# KiCad board panel-main.kicad_pcb (continued)
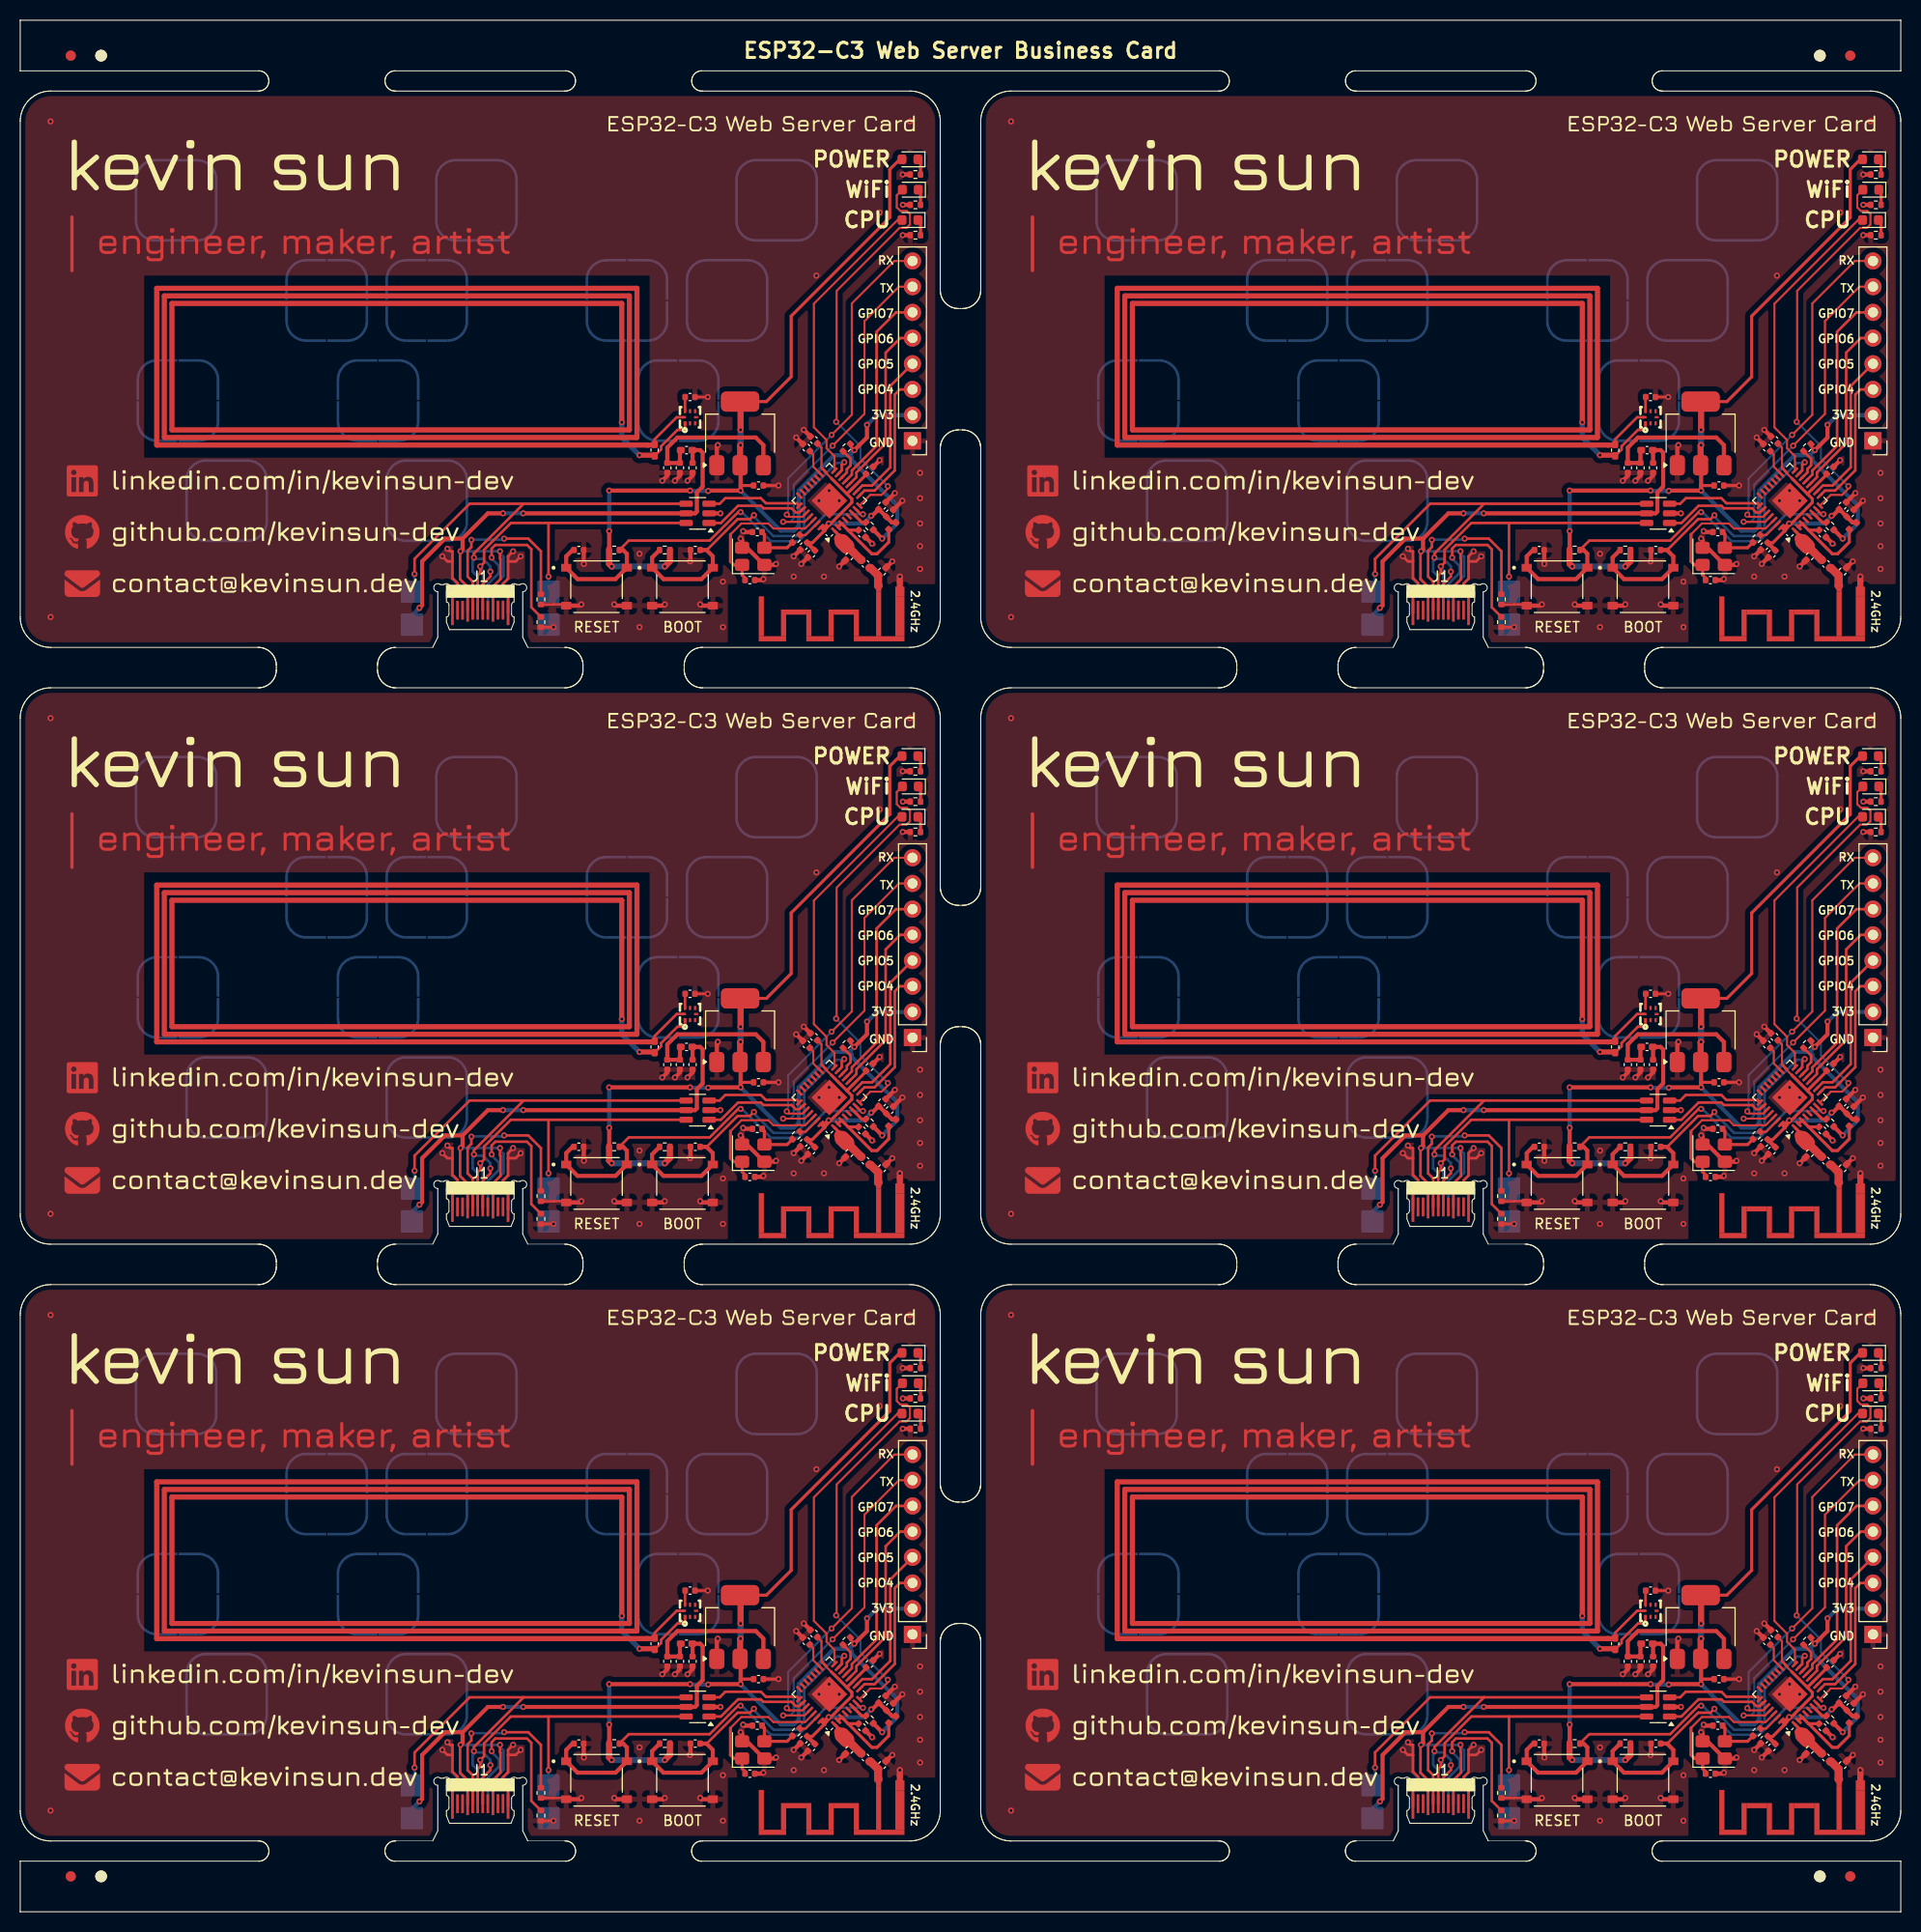
[diagram p0: board, top side]
## Routing (per net, layer and track width the routed paths; a pad name or vN(x,y) marks a point on that pad's centre or on a via; arc(x,y) is an arc through that point) (continued)
Board_1-/BOOTSEL: length 34.6
  Top w0.25: v1(167.57,138.07) 167.18,137.68 165.95,137.68 162.9,134.63 C18.1 ; U1#2.15 176.25,142.5 176.25,143.06 v1(176.5,143.3)
  Top w0.4: R4.2 157.5,133.89 SW2#4.1 158.62,131.75 162.38,131.75 SW2#4.1 163.5,134 162.88,134.63 C18.1
  Bottom w0.25: v1(167.57,138.07) 167.57,137.94 169.5,136 171.74,136 172.53,136.79 172.53,140.03 175.73,143.24 176.43,143.24 v1(176.5,143.3)
Board_1-/CHIP_EN: length 40.2
  Top w0.25: v1(166.25,138.37) 166.01,138.37 163.19,135.56 155.19,135.56 R3#6.2 ; U1#2.7 178.14,138.16 v1(178.35,138.16)
  Top w0.4: R3#6.2 154.62,134.63 155,134.25 SW1.1 153.88,131.75 150.12,131.75 SW1.1 149,134 149.62,134.63 C17#2.1
  Bottom w0.25: v1(178.35,138.16) 174.66,138.16 172,135.5 169.25,135.5 166.38,138.37 v1(166.25,138.37)
Board_1-/GP2: length 1.7
  Top w0.3: R7#3.1 178.24,137.36 U1#2.6
Board_1-/GP8: length 3.3
  Top w0.25: R6#5.1 177.13,143.65 177.13,142.99 176.76,142.62 176.76,142.3 U1#2.14 176.27,141.77
Board_1-/LED_A: length 39.8
  Top w0.2: v1(180.82,140.94) 180.82,140.7 180.19,140.08 179.07,140.08 178.01,139.01 U1#2.8 ; v1(175.7,147.3) 175.75,147.35 175.75,160.25 181.97,166.48 182.65,166.48 183,166.82 183,167.84 182.69,168.15 182.05,168.15 181.7,168.5 181.7,169.7 D2#6.2
  Bottom w0.2: v1(175.7,147.3) 178.1,144.9 178.1,143.65 v1(180.82,140.94)
Board_1-/LED_B: length 29.5
  Top w0.2: D3#5.2 181.78,167.25 173.5,158.98 173.5,146.75 174.75,145.5 174.75,144.69 175.53,143.91 U1#2.16
Board_1-/LNA_IN: length 4
  Top w0.3: U1#2.1 176,136.06 176,135.75
  Top w0.8: 176.8,135 C12.1 178.15,133.66 L2#5.1
  Top w1: 176.3,135.45 176,135.75
  Top w1.5: 176.3,135.45 176.75,135
Board_1-/MTCK: length 17.8
  Top w0.25: U1#2.12 177.71,141.83 177.71,142.3 180.6,145.19 180.6,154.14 182.04,155.58 J2#4.5
Board_1-/MTDI: length 15.6
  Top w0.25: U1#2.10 178.29,141 179.25,141 181.05,142.8 181.05,150.84 J2#4.4
Board_1-/MTDO: length 20.4
  Top w0.25: U1#2.13 177.26,142.09 177.26,142.48 179.7,144.93 179.7,156.2 181.62,158.12 J2#4.6
Board_1-/MTMS: length 14
  Top w0.25: U1#2.9 178.5,140.5 179.5,140.5 181.5,142.5 181.5,150 182,150.5 J2#4.3
Board_1-/U0RXD: length 33.7
  Top w0.2: v1(175.25,146) 177.25,148 177.25,159 181.45,163.2 J2#4.8 ; v1(170.82,138.13) 171.03,137.91 172.38,137.91 U1#2.27
  Bottom w0.2: v1(175.25,146) 170.94,141.69 170.94,138 v1(170.82,138.13)
Board_1-/U0TXD: length 32.6
  Top w0.2: U1#2.28 172.58,137.41 v1(170.46,137.41) ; v1(175.35,144.94) 178.5,148.09 178.5,157.25 181.91,160.66 J2#4.7
  Bottom w0.2: v1(175.35,144.94) 171.5,141.09 171.5,137.75 171.16,137.41 v1(170.46,137.41)
Board_1-/USB_DN: length 9.5
  Top w0.25: U1#2.25 171.82,139.25 168.75,139.25 168.25,139.75 164.74,139.75 164.19,139.2 U3#4.3
Board_1-/USB_DP: length 10.4
  Top w0.25: U1#2.26 172.38,138.69 172.03,138.34 171.71,138.34 171.29,138.75 168.5,138.75 168.25,139 166,139 164.3,137.3 U3#4.1
Board_1-/XTAL_N: length 14.8
  Top w0.2: 165.25,136.17 166.33,137.25 169,137.25 169.5,136.75 171.87,136.75 171.9,136.78 172.25,136.78 172.28,136.75 172.63,136.75 U1#2.29
  Top w0.3: 165.25,136.17 165.25,133.5 165.6,133.15 Y1#4.1 166.4,132.15 166.69,131.86 C9#6.1
Board_1-/XTAL_P: length 2.2
  Top w0.2: R5.1 172.7,136.11 U1#2.30
Board_1-GND: length 74.4
  Top w0.25: R1#3.1 147.74,129.24 147.75,129.25 148.88,129.25 SW1.2 ; 137.75,133.5 137.75,131.86 138.25,131.36 138.25,130.5 137.75,130 137.75,128.4 ; 137.75,133.5 137.25,133.5 v1(136.75,134) ; 137.75,133.5 137.75,134.5 137.5,134.5 v1(137.25,134.75) ; C20#6.2 v1(163,149.75) ; v1(144.5,134) 144,133.5 143.25,133.5 ; v1(147.75,127) 147.25,127 147.24,126.99 R2#6.2 ; 143.25,133.5 143.25,131.81 142.75,131.31 142.75,130.5 143.25,130 143.25,128.4 ; 143.25,133.5 143.25,134 v1(143.75,134.5)
  Top w0.3: C16#3.2 v1(170,141)
  Top w0.4: SW2#4.2 158.62,129.13 v1(158.75,129.25) ; C6#5.2 v1(172.5,146.5) ; v1(169.75,133.25) 169.65,133.15 Y1#4.2 168.57,133.15 166.87,134.85 Y1#4.4 166.4,135.6 v1(166.25,135.75) ; C2#2.2 v1(182.25,139.5) ; R8#3.2 v1(182.29,171.75) ; C17#2.2 150.73,133.27 v1(150.75,133.25) ; C13#2.2 161.5,141.98 v1(161,141.48) ; C8#2.2 v1(172.25,133.25) ; R9#2.2 v1(182.3,168.75) ; SW1.2 153.88,129.13 v1(153.75,129.25) ; v1(162.25,129.25) 162.38,129.13 SW2#4.2 ; v1(159.75,141.48) 160.25,141.98 C14#4.2 ; C5#4.2 v1(180,143.5) ; C11.2 v1(181.25,133.5) ; v1(166.5,136.5) 166.6,136.4 C10#2.2 ; C9#6.2 168.4,131.65 v1(168.5,131.75) ; C7#3.2 v1(171.5,134) ; v1(158.5,141.48) 159,141.98 C15#4.2 ; C3.2 v1(181.5,140.25) ; U3#4.2 v1(164.25,138.25) ; SW1.2 150.38,129.13 v1(150.5,129.25) ; v1(164,145) 163.9,144.9 U4#3.1 ; C12.2 v1(176,133) ; C18.2 161.29,133.54 v1(161.25,133.5) ; C4#3.2 v1(171.75,145.75) ; R10#4.2 v1(182.29,165.75) ; C1#2.2 v1(179.25,135.25)
  Top w0.6: v1(182,132) AE1.2
  Bottom w0.25: v1(137.25,134.75) 137.5,134.5 137.75,134.5 137.75,133.5 ; 137.75,133.5 137.75,131.75 138.5,131 138.5,130.75 137.75,130 137.75,128.4 137.75,128.4 ; 137.75,133.5 137.25,133.5 v1(136.75,134) ; 143.25,133.5 143.25,131.75 142.75,131.25 142.75,130.5 143.25,130 143.25,128.4 ; 143.25,133.5 143.25,134 v1(143.75,134.5) ; 143.25,133.5 144,133.5 v1(144.5,134)
  vias: v1(98,177) v1(98,128) v1(156.25,134.25) v1(156.25,127) v1(164.5,131.5) v1(164.5,127) v1(171.5,132) v1(173.75,161.75) v1(174,139.5) v1(174.5,132) v1(175,140.5) v1(176,139.5) v1(180,168) v1(183,177) v1(184,142.25) v1(184,139.75) v1(184,137.25) v1(184,135) v1(184,132.75)
Board_1-Net-(AE1-FEED): length 2.2
  Top w0.8: L2#5.2 179.1,132.85 C11.1 179.85,131.1 179.9,131.1
Board_1-Net-(C1-Pad1): length 9.2
  Top w0.3: 176.89,136.59 U1#2.3 U1#2.2 ; 176.89,136.59 C1#2.1 ; 176.89,136.59 179.22,134.25 179.75,134.25 180.91,135.41 L1#4.2
Board_1-Net-(C10-Pad1): length 4.7
  Top w0.3: C10#2.1 168.6,136.18 Y1#4.3 170.85,134.85 R5.2
Board_1-Net-(D1-K): length 1.6
  Top w0.3: D1#4.1 184.05,172.99 R8#3.1
Board_1-Net-(D2-K): length 1.6
  Top w0.3: R9#2.1 184.05,170.03 D2#6.1
Board_1-Net-(D3-K): length 1.6
  Top w0.3: R10#4.1 184.05,166.99 D3#5.1
Board_1-Net-(J1-CC1): length 19
  Top w0.25: v1(142.86,135.75) 145.25,135.75 146.5,134.5 R1#3.2 ; v1(139.62,135.63) 139.62,134.92 139.28,134.58 139.28,134.48 139.25,134.46 139.25,132 139.75,131.5 139.75,128.68
  Bottom w0.25: v1(142.86,135.75) 142.76,135.65 139.64,135.65 v1(139.62,135.63)
Board_1-Net-(J1-CC2): length 18.2
  Top w0.25: R2#6.1 145.55,128.96 145.55,134.7 145.12,135.13 141.99,135.13 141.62,134.76 141.62,133.88 v1(141.63,133.88)
  Bottom w0.25: 141.25,128.68 141.25,131.25 142.35,132.35 142.35,133.07 141.63,133.78 v1(141.63,133.88)
Board_1-Net-(J1-D+-PadA6): length 38.5
  Top w0.25: 140.25,128.68 140.25,132.13 140.5,132.38 v1(140.5,133) 140.88,133.38 140.88,134.65 143.53,137.3 147.25,137.3 ; 147.25,137.3 v1(147.25,132) ; 147.25,137.3 U3#4.6
  Bottom w0.25: v1(147.25,132) 147.25,130.5 ; v1(140.5,133) 140.5,132.88 140.75,132.63 140.75,128.68
Board_1-Net-(J1-D--PadA7): length 51.9
  Top w0.25: 144.79,139.2 139.88,134.29 v1(139.88,133.88) ; 144.79,139.2 139.45,139.2 134,133.75 v1(134,132.25) ; 144.79,139.2 U3#4.4 ; 140.75,128.68 140.75,131.25 141.5,132 v1(141.5,132.49)
  Bottom w0.25: 133.75,130.5 134,130.75 v1(134,132.25) ; 140.25,128.68 140.25,132 139.75,132.5 139.75,133.5 139.88,133.63 v1(139.88,133.88) 140,133.75 140.76,133.75 141.13,133.38 141.13,133.38 141.5,133.01 v1(141.5,132.49)
Board_1-Net-(U2-LA): length 371.4
  Top w0.25: C19#4.1 158.39,144.57 158.39,144.88 160.01,146.5 160.75,146.5 U2#4.1
  Top w0.5: v1(154.5,147.25) 154.5,159 110,159 110,146.5 155.25,146.5 155.25,159.75 109.25,159.75 109.25,145.75 156,145.75 156,160.5 108.5,160.5 108.5,145 157.04,145 157.04,145 157.74,145 ; v1(156.25,144) 157.75,144
  Bottom w0.5: v1(154.5,147.25) 154.5,145.75 v1(156.25,144)
Board_1-Net-(U2-LB): length 4.3
  Top w0.25: U2#4.8 159.92,147.75 157.75,145.58 C19#4.2
Board_1-Net-(U2-VOUT): length 1.4
  Top w0.25: C20#6.1 160.75,149.73 U2#4.7
Board_1-Net-(U4-VI): length 16.7
  Top w0.4: 168.5,142.21 168.54,142.25 ; 168.75,143.25 U4#3.3 168.5,145 167.75,145.75 160,145.75 159,144.75 C15#4.1 C14#4.1 160.25,144.42 L3#2.2
Board_1-unconnected-(U1-SPIHD-Pad19): length 0.1
  Top w0.2: U1#2.19 173.73,141.77
Board_2-+3.3V: length 26.4
  Top w0.2: C6#6.1 79.25,85.75 79.25,83.76 U1#3.17 79.54,83.4 80.22,82.72
  Top w0.3: C5#5.1 83.66,83.08 U1#3.11 81.77,81.19 81.77,81.17 ; U1#3.32 78.34,76.34 C7#5.1 ; U1#3.32 U1#3.31 ; U1#3.32 79.54,77.61 82.25,80.32 82.25,80.69 81.77,81.17 ; 81.77,81.17 80.22,82.72
  Top w0.4: v1(79.96,78.24) 79.54,77.82 U1#3.32 ; v1(84.16,79) 84.25,79 C3#2.1 C2#3.1 86.23,78.34 L1#2.1 ; C8#5.1 C7#5.1
  Bottom w0.4: v1(84.16,79) 84.05,78.9 84.05,78.87 83.42,78.24 v1(79.96,78.24)
Board_2-+3V3: length 109.2
  Top w0.25: v1(82.5,85.5) 82.11,85.89 R6#6.2
  Top w0.3: C16#5.1 71.25,82 ; D1.2 87,114.25 86,113.25 86,108.5 76.25,98.75 76.25,92.75 73.8,90.3 U4#6.2
  Top w0.4: v1(82.5,85.5) 83.75,86.75 v1(83.75,88) ; v1(58.25,77.5) 58.25,75.64 R3#2.1 ; v1(66.25,81.5) v1(58.25,81.5) ; v1(68.05,81.46) 68.09,81.5 v1(71.25,81.5) 71.25,83.95 U4#6.2 ; R7#5.2 v1(85.25,76.75)
  Top w0.6: v1(58.5,74) 58.24,74.26 R3#2.1 ; v1(71.25,86) 71.2,85.95 U4#6.2 ; v1(63.75,74) 64.26,74.51 R4#5.1 ; U4#6.2 71.25,90.25 v1(71.25,87.5)
  Bottom w0.25: 82.12,85.13 82.12,84.88
  Bottom w0.4: v1(85.25,76.75) 86.75,78.25 86.75,80 82.25,84.5 82.25,84.75 82,85 81.79,85 81.79,85 81.21,85 81.21,85 80.5,85 77,81.5 77,78 76.53,77.53 75.22,77.53 v1(71.25,81.5) ; v1(68.05,81.46) 66.29,81.46 v1(66.25,81.5) ; v1(82.5,85.5) 82.12,85.13 ; v1(83.75,88) 83.77,88 84.73,88.96 J2#2.2 ; v1(58.25,81.5) v1(58.25,77.5)
  Bottom w0.6: v1(71.25,86) v1(71.25,87.5) ; v1(58.5,74) v1(63.75,74)
Board_2-/BOOTSEL: length 34.6
  Top w0.25: v1(81.5,84.3) 81.25,84.06 81.25,83.5 U1#3.15 ; v1(72.57,79.07) 72.18,78.68 70.95,78.68 67.9,75.63 C18#6.1
  Top w0.4: C18#6.1 67.88,75.63 68.5,75 SW2#6.1 67.38,72.75 63.62,72.75 SW2#6.1 62.5,74.89 R4#5.2
  Bottom w0.25: v1(72.57,79.07) 72.57,78.94 74.5,77 76.74,77 77.53,77.79 77.53,81.03 80.73,84.24 81.43,84.24 v1(81.5,84.3)
Board_2-/CHIP_EN: length 40.2
  Top w0.25: R3#2.2 60.19,76.56 68.19,76.56 71.01,79.37 v1(71.25,79.37) ; v1(83.35,79.16) 83.14,79.16 U1#3.7
  Top w0.4: R3#2.2 59.62,75.63 60,75.25 SW1#3.1 58.88,72.75 55.12,72.75 SW1#3.1 54,75 54.62,75.63 C17#6.1
  Bottom w0.25: v1(83.35,79.16) 79.66,79.16 77,76.5 74.25,76.5 71.38,79.37 v1(71.25,79.37)
Board_2-/GP2: length 1.7
  Top w0.3: U1#3.6 83.24,78.36 R7#5.1
Board_2-/GP8: length 3.3
  Top w0.25: R6#6.1 82.13,84.65 82.13,83.99 81.76,83.62 81.76,83.3 U1#3.14 81.27,82.77
Board_2-/LED_A: length 39.8
  Top w0.2: v1(80.7,88.3) 80.75,88.35 80.75,101.25 86.97,107.48 87.65,107.48 88,107.82 88,108.84 87.69,109.15 87.05,109.15 86.7,109.5 86.7,110.7 D2#2.2 ; v1(85.82,81.94) 85.82,81.7 85.19,81.08 84.07,81.08 83.01,80.01 U1#3.8
  Bottom w0.2: v1(80.7,88.3) 83.1,85.9 83.1,84.65 v1(85.82,81.94)
Board_2-/LED_B: length 29.5
  Top w0.2: U1#3.16 80.53,84.91 79.75,85.69 79.75,86.5 78.5,87.75 78.5,99.98 86.78,108.25 D3#6.2
Board_2-/LNA_IN: length 4
  Top w0.3: U1#3.1 81,77.06 81,76.75
  Top w0.8: L2.1 83.15,74.66 C12#6.1 81.8,76
  Top w1: 81.3,76.45 81,76.75
  Top w1.5: 81.3,76.45 81.75,76
Board_2-/MTCK: length 17.8
  Top w0.25: U1#3.12 82.71,82.83 82.71,83.3 85.6,86.19 85.6,95.14 87.04,96.58 J2#2.5
Board_2-/MTDI: length 15.6
  Top w0.25: U1#3.10 83.29,82 84.25,82 86.05,83.8 86.05,91.84 J2#2.4
Board_2-/MTDO: length 20.4
  Top w0.25: U1#3.13 82.26,83.09 82.26,83.48 84.7,85.93 84.7,97.2 86.62,99.12 J2#2.6
Board_2-/MTMS: length 14
  Top w0.25: J2#2.3 87,91.5 86.5,91 86.5,83.5 84.5,81.5 83.5,81.5 U1#3.9
Board_2-/U0RXD: length 33.7
  Top w0.2: U1#3.27 77.38,78.91 76.03,78.91 v1(75.82,79.13) ; v1(80.25,87) 82.25,89 82.25,100 86.45,104.2 J2#2.8
  Bottom w0.2: v1(75.82,79.13) 75.94,79 75.94,82.69 v1(80.25,87)
Board_2-/U0TXD: length 32.6
  Top w0.2: U1#3.28 77.58,78.41 v1(75.46,78.41) ; J2#2.7 86.91,101.66 83.5,98.25 83.5,89.09 v1(80.35,85.94)
  Bottom w0.2: v1(75.46,78.41) 76.16,78.41 76.5,78.75 76.5,82.09 v1(80.35,85.94)
Board_2-/USB_DN: length 9.5
  Top w0.25: U1#3.25 76.82,80.25 73.75,80.25 73.25,80.75 69.74,80.75 69.19,80.2 U3#3.3
Board_2-/USB_DP: length 10.4
  Top w0.25: U1#3.26 77.38,79.69 77.03,79.34 76.71,79.34 76.29,79.75 73.5,79.75 73.25,80 71,80 69.3,78.3 U3#3.1
Board_2-/XTAL_N: length 14.8
  Top w0.2: U1#3.29 77.63,77.75 77.28,77.75 77.25,77.78 76.9,77.78 76.87,77.75 74.5,77.75 74,78.25 71.33,78.25 70.25,77.17
  Top w0.3: C9#4.1 71.69,72.86 71.4,73.15 Y1#6.1 70.6,74.15 70.25,74.5 70.25,77.17
Board_2-/XTAL_P: length 2.2
  Top w0.2: U1#3.30 77.7,77.11 R5#3.1
Board_2-GND: length 74.4
  Top w0.25: v1(41.75,75) 42.25,74.5 42.75,74.5 ; C20#2.2 v1(68,90.75) ; 48.25,69.4 48.25,71 47.75,71.5 47.75,72.31 48.25,72.81 48.25,74.5 ; v1(49.5,75) 49,74.5 48.25,74.5 ; SW1#3.2 53.88,70.25 52.75,70.25 52.74,70.24 R1.1 ; R2#5.2 52.24,67.99 52.25,68 v1(52.75,68) ; 42.75,74.5 42.75,72.86 43.25,72.36 43.25,71.5 42.75,71 42.75,69.4 ; 42.75,74.5 42.75,75.5 42.5,75.5 v1(42.25,75.75) ; 48.25,74.5 48.25,75 v1(48.75,75.5)
  Top w0.3: C16#5.2 v1(75,82)
  Top w0.4: C1#3.2 v1(84.25,76.25) ; U3#3.2 v1(69.25,79.25) ; C6#6.2 v1(77.5,87.5) ; SW2#6.2 63.62,70.13 v1(63.75,70.25) ; v1(71.5,77.5) 71.6,77.4 C10.2 ; C14.2 65.25,82.98 v1(64.75,82.48) ; v1(66,82.48) 66.5,82.98 C13#5.2 ; C7#5.2 v1(76.5,75) ; v1(74.75,74.25) 74.65,74.15 Y1#6.2 73.57,74.15 71.87,75.85 Y1#6.4 71.4,76.6 v1(71.25,76.75) ; R8#5.2 v1(87.29,112.75) ; C8#5.2 v1(77.25,74.25) ; SW1#3.2 58.88,70.13 v1(58.75,70.25) ; C11#5.2 v1(86.25,74.5) ; SW2#6.2 67.38,70.13 v1(67.25,70.25) ; C2#3.2 v1(87.25,80.5) ; SW1#3.2 55.38,70.13 v1(55.5,70.25) ; R10#5.2 v1(87.29,106.75) ; C18#6.2 66.29,74.54 v1(66.25,74.5) ; C3#2.2 v1(86.5,81.25) ; C15#5.2 64,82.98 v1(63.5,82.48) ; v1(69,86) 68.9,85.9 U4#6.1 ; C12#6.2 v1(81,74) ; C5#5.2 v1(85,84.5) ; C9#4.2 73.4,72.65 v1(73.5,72.75) ; C17#6.2 55.73,74.27 v1(55.75,74.25) ; R9#4.2 v1(87.3,109.75) ; C4#6.2 v1(76.75,86.75)
  Top w0.6: v1(87,73) AE1#3.2
  Bottom w0.25: 42.75,74.5 42.25,74.5 v1(41.75,75) ; 42.75,74.5 42.75,75.5 42.5,75.5 v1(42.25,75.75) ; 42.75,74.5 42.75,72.75 43.5,72 43.5,71.75 42.75,71 42.75,69.4 42.75,69.4 ; 48.25,69.4 48.25,71 47.75,71.5 47.75,72.25 48.25,72.75 48.25,74.5 ; 48.25,74.5 48.25,75 v1(48.75,75.5) ; 48.25,74.5 49,74.5 v1(49.5,75)
  vias: v1(3,118) v1(3,69) v1(61.25,75.25) v1(61.25,68) v1(69.5,72.5) v1(69.5,68) v1(76.5,73) v1(78.75,102.75) v1(79,80.5) v1(79.5,73) v1(80,81.5) v1(81,80.5) v1(85,109) v1(88,118) v1(89,83.25) v1(89,80.75) v1(89,78.25) v1(89,76) v1(89,73.75)
Board_2-Net-(AE1-FEED): length 2.2
  Top w0.8: 84.9,72.1 84.85,72.1 C11#5.1 84.1,73.85 L2.2
Board_2-Net-(C1-Pad1): length 9.2
  Top w0.3: 81.89,77.59 U1#3.3 U1#3.2 ; 81.89,77.59 C1#3.1 ; 81.89,77.59 84.22,75.25 84.75,75.25 85.91,76.41 L1#2.2
Board_2-Net-(C10-Pad1): length 4.7
  Top w0.3: C10.1 73.6,77.18 Y1#6.3 75.85,75.85 R5#3.2
Board_2-Net-(D1-K): length 1.6
  Top w0.3: D1.1 89.05,113.99 R8#5.1
Board_2-Net-(D2-K): length 1.6
  Top w0.3: R9#4.1 89.05,111.03 D2#2.1
Board_2-Net-(D3-K): length 1.6
  Top w0.3: R10#5.1 89.05,107.99 D3#6.1
Board_2-Net-(J1-CC1): length 19
  Top w0.25: v1(44.62,76.63) 44.62,75.92 44.28,75.58 44.28,75.48 44.25,75.46 44.25,73 44.75,72.5 44.75,69.68 ; v1(47.86,76.75) 50.25,76.75 51.5,75.5 R1.2
  Bottom w0.25: v1(47.86,76.75) 47.76,76.65 44.64,76.65 v1(44.62,76.63)
Board_2-Net-(J1-CC2): length 18.2
  Top w0.25: R2#5.1 50.55,69.96 50.55,75.7 50.12,76.13 46.99,76.13 46.62,75.76 46.62,74.88 v1(46.63,74.88)
  Bottom w0.25: v1(46.63,74.88) 46.63,74.78 47.35,74.07 47.35,73.35 46.25,72.25 46.25,69.68
Board_2-Net-(J1-D+-PadA6): length 38.5
  Top w0.25: 52.25,78.3 U3#3.6 ; 52.25,78.3 48.53,78.3 45.88,75.65 45.88,74.38 v1(45.5,74) 45.5,73.38 45.25,73.13 45.25,69.68 ; 52.25,78.3 v1(52.25,73)
  Bottom w0.25: 45.75,69.68 45.75,73.63 45.5,73.88 v1(45.5,74) ; v1(52.25,73) 52.25,71.5
Board_2-Net-(J1-D--PadA7): length 51.9
  Top w0.25: 49.79,80.2 44.88,75.29 v1(44.88,74.88) ; 49.79,80.2 U3#3.4 ; 49.79,80.2 44.45,80.2 39,74.75 v1(39,73.25) ; 45.75,69.68 45.75,72.25 46.5,73 v1(46.5,73.49)
  Bottom w0.25: 45.25,69.68 45.25,73 44.75,73.5 44.75,74.5 44.88,74.63 v1(44.88,74.88) 45,74.75 45.76,74.75 46.13,74.38 46.13,74.38 46.5,74.01 v1(46.5,73.49) ; 38.75,71.5 39,71.75 v1(39,73.25)
Board_2-Net-(U2-LA): length 371.4
  Top w0.25: U2#5.1 65.75,87.5 65.01,87.5 63.39,85.88 63.39,85.57 C19#3.1
  Top w0.5: v1(61.25,85) 62.75,85 ; 62.74,86 62.04,86 62.04,86 13.5,86 13.5,101.5 61,101.5 61,86.75 14.25,86.75 14.25,100.75 60.25,100.75 60.25,87.5 15,87.5 15,100 59.5,100 v1(59.5,88.25)
  Bottom w0.5: v1(61.25,85) 59.5,86.75 v1(59.5,88.25)
Board_2-Net-(U2-LB): length 4.3
  Top w0.25: C19#3.2 62.75,86.58 64.92,88.75 U2#5.8
Board_2-Net-(U2-VOUT): length 1.4
  Top w0.25: U2#5.7 65.75,90.73 C20#2.1
Board_2-Net-(U4-VI): length 16.7
  Top w0.4: L3#5.2 65.25,85.42 C14.1 C15#5.1 64,85.75 65,86.75 72.75,86.75 73.5,86 U4#6.3 73.75,84.25 ; 73.5,83.21 73.54,83.25
Board_2-unconnected-(U1-SPIHD-Pad19): length 0.1
  Top w0.2: U1#3.19 78.73,82.77
Board_3-+3.3V: length 26.4
  Top w0.2: 175.22,82.72 174.54,83.4 U1#5.17 174.25,83.76 174.25,85.75 C6#4.1
  Top w0.3: C5.1 178.66,83.08 U1#5.11 176.77,81.19 176.77,81.17 ; 176.77,81.17 175.22,82.72 ; 176.77,81.17 177.25,80.69 177.25,80.32 174.54,77.61 U1#5.32 ; C7#2.1 173.34,76.34 U1#5.32 ; U1#5.32 U1#5.31
  Top w0.4: L1#6.1 181.23,78.34 C2.1 C3#6.1 179.25,79 v1(179.16,79) ; v1(174.96,78.24) 174.54,77.82 U1#5.32 ; C8.1 C7#2.1
  Bottom w0.4: v1(179.16,79) 179.05,78.9 179.05,78.87 178.42,78.24 v1(174.96,78.24)
Board_3-+3V3: length 109.2
  Top w0.25: R6#3.2 177.11,85.89 v1(177.5,85.5)
  Top w0.3: D1#5.2 182,114.25 181,113.25 181,108.5 171.25,98.75 171.25,92.75 168.8,90.3 U4#2.2 ; C16#4.1 166.25,82
  Top w0.4: v1(161.25,81.5) v1(153.25,81.5) ; R7.2 v1(180.25,76.75) ; v1(178.75,88) 178.75,86.75 v1(177.5,85.5) ; R3.1 153.25,75.64 v1(153.25,77.5) ; U4#2.2 166.25,83.95 v1(166.25,81.5) 163.09,81.5 v1(163.05,81.46)
  Top w0.6: R4#6.1 159.26,74.51 v1(158.75,74) ; R3.1 153.24,74.26 v1(153.5,74) ; v1(166.25,86) 166.2,85.95 U4#2.2 ; U4#2.2 166.25,90.25 v1(166.25,87.5)
  Bottom w0.25: 177.12,85.13 177.12,84.88
  Bottom w0.4: v1(163.05,81.46) 161.29,81.46 v1(161.25,81.5) ; v1(153.25,81.5) v1(153.25,77.5) ; v1(166.25,81.5) 170.22,77.53 171.53,77.53 172,78 172,81.5 175.5,85 176.21,85 176.21,85 176.79,85 176.79,85 177,85 177.25,84.75 177.25,84.5 181.75,80 181.75,78.25 v1(180.25,76.75) ; J2#6.2 179.73,88.96 178.77,88 v1(178.75,88) ; v1(177.5,85.5) 177.12,85.13
  Bottom w0.6: v1(153.5,74) v1(158.75,74) ; v1(166.25,86) v1(166.25,87.5)
Board_3-/BOOTSEL: length 34.6
  Top w0.25: U1#5.15 176.25,83.5 176.25,84.06 v1(176.5,84.3) ; C18#3.1 162.9,75.63 165.95,78.68 167.18,78.68 v1(167.57,79.07)
  Top w0.4: R4#6.2 157.5,74.89 SW2#5.1 158.62,72.75 162.38,72.75 SW2#5.1 163.5,75 162.88,75.63 C18#3.1
  Bottom w0.25: v1(167.57,79.07) 167.57,78.94 169.5,77 171.74,77 172.53,77.79 172.53,81.03 175.73,84.24 176.43,84.24 v1(176.5,84.3)
Board_3-/CHIP_EN: length 40.2
  Top w0.25: v1(178.35,79.16) 178.14,79.16 U1#5.7 ; v1(166.25,79.37) 166.01,79.37 163.19,76.56 155.19,76.56 R3.2
  Top w0.4: R3.2 154.62,75.63 155,75.25 SW1#2.1 153.88,72.75 150.12,72.75 SW1#2.1 149,75 149.62,75.63 C17.1
  Bottom w0.25: v1(166.25,79.37) 166.38,79.37 169.25,76.5 172,76.5 174.66,79.16 v1(178.35,79.16)
Board_3-/GP2: length 1.7
  Top w0.3: R7.1 178.24,78.36 U1#5.6
Board_3-/GP8: length 3.3
  Top w0.25: R6#3.1 177.13,84.65 177.13,83.99 176.76,83.62 176.76,83.3 U1#5.14 176.27,82.77
Board_3-/LED_A: length 39.8
  Top w0.2: v1(180.82,81.94) 180.82,81.7 180.19,81.08 179.07,81.08 178.01,80.01 U1#5.8 ; v1(175.7,88.3) 175.75,88.35 175.75,101.25 181.97,107.48 182.65,107.48 183,107.82 183,108.84 182.69,109.15 182.05,109.15 181.7,109.5 181.7,110.7 D2.2
  Bottom w0.2: v1(175.7,88.3) 178.1,85.9 178.1,84.65 v1(180.82,81.94)
Board_3-/LED_B: length 29.5
  Top w0.2: U1#5.16 175.53,84.91 174.75,85.69 174.75,86.5 173.5,87.75 173.5,99.98 181.78,108.25 D3#3.2
Board_3-/LNA_IN: length 4
  Top w0.3: 176,76.75 176,77.06 U1#5.1
  Top w0.8: L2#6.1 178.15,74.66 C12#5.1 176.8,76
  Top w1: 176.3,76.45 176,76.75
  Top w1.5: 176.3,76.45 176.75,76
Board_3-/MTCK: length 17.8
  Top w0.25: U1#5.12 177.71,82.83 177.71,83.3 180.6,86.19 180.6,95.14 182.04,96.58 J2#6.5
Board_3-/MTDI: length 15.6
  Top w0.25: U1#5.10 178.29,82 179.25,82 181.05,83.8 181.05,91.84 J2#6.4
Board_3-/MTDO: length 20.4
  Top w0.25: U1#5.13 177.26,83.09 177.26,83.48 179.7,85.93 179.7,97.2 181.62,99.12 J2#6.6
Board_3-/MTMS: length 14
  Top w0.25: J2#6.3 182,91.5 181.5,91 181.5,83.5 179.5,81.5 178.5,81.5 U1#5.9
Board_3-/U0RXD: length 33.7
  Top w0.2: v1(175.25,87) 177.25,89 177.25,100 181.45,104.2 J2#6.8 ; v1(170.82,79.13) 171.03,78.91 172.38,78.91 U1#5.27
  Bottom w0.2: v1(170.82,79.13) 170.94,79 170.94,82.69 v1(175.25,87)
Board_3-/U0TXD: length 32.6
  Top w0.2: J2#6.7 181.91,101.66 178.5,98.25 178.5,89.09 v1(175.35,85.94) ; U1#5.28 172.58,78.41 v1(170.46,78.41)
  Bottom w0.2: v1(175.35,85.94) 171.5,82.09 171.5,78.75 171.16,78.41 v1(170.46,78.41)
Board_3-/USB_DN: length 9.5
  Top w0.25: U1#5.25 171.82,80.25 168.75,80.25 168.25,80.75 164.74,80.75 164.19,80.2 U3#5.3
Board_3-/USB_DP: length 10.4
  Top w0.25: U3#5.1 164.3,78.3 166,80 168.25,80 168.5,79.75 171.29,79.75 171.71,79.34 172.03,79.34 172.38,79.69 U1#5.26
Board_3-/XTAL_N: length 14.8
  Top w0.2: 165.25,77.17 166.33,78.25 169,78.25 169.5,77.75 171.87,77.75 171.9,77.78 172.25,77.78 172.28,77.75 172.63,77.75 U1#5.29
  Top w0.3: 165.25,77.17 165.25,74.5 165.6,74.15 Y1#2.1 166.4,73.15 166.69,72.86 C9.1
Board_3-/XTAL_P: length 2.2
  Top w0.2: R5#4.1 172.7,77.11 U1#5.30
Board_3-GND: length 74.4
  Top w0.25: 143.25,69.4 143.25,71 142.75,71.5 142.75,72.31 143.25,72.81 143.25,74.5 ; 137.75,74.5 137.75,75.5 137.5,75.5 v1(137.25,75.75) ; 137.75,74.5 137.75,72.86 138.25,72.36 138.25,71.5 137.75,71 137.75,69.4 ; 137.75,74.5 137.25,74.5 v1(136.75,75) ; C20#5.2 v1(163,90.75) ; R1#4.1 147.74,70.24 147.75,70.25 148.88,70.25 SW1#2.2 ; R2#3.2 147.24,67.99 147.25,68 v1(147.75,68) ; v1(143.75,75.5) 143.25,75 143.25,74.5 ; 143.25,74.5 144,74.5 v1(144.5,75)
  Top w0.3: C16#4.2 v1(170,82)
  Top w0.4: C12#5.2 v1(176,74) ; SW2#5.2 162.38,70.13 v1(162.25,70.25) ; C8.2 v1(172.25,74.25) ; v1(164,86) 163.9,85.9 U4#2.1 ; v1(150.75,74.25) 150.73,74.27 C17.2 ; v1(158.5,82.48) 159,82.98 C15#6.2 ; SW2#5.2 158.62,70.13 v1(158.75,70.25) ; C1#5.2 v1(179.25,76.25) ; C11#3.2 v1(181.25,74.5) ; R8#2.2 v1(182.29,112.75) ; v1(159.75,82.48) 160.25,82.98 C14#6.2 ; C13#6.2 161.5,82.98 v1(161,82.48) ; v1(169.75,74.25) 169.65,74.15 Y1#2.2 168.57,74.15 166.87,75.85 Y1#2.4 166.4,76.6 v1(166.25,76.75) ; U3#5.2 v1(164.25,79.25) ; v1(166.5,77.5) 166.6,77.4 C10#6.2 ; v1(161.25,74.5) 161.29,74.54 C18#3.2 ; v1(150.5,70.25) 150.38,70.13 SW1#2.2 ; C7#2.2 v1(171.5,75) ; C3#6.2 v1(181.5,81.25) ; v1(168.5,72.75) 168.4,72.65 C9.2 ; C6#4.2 v1(172.5,87.5) ; R10#3.2 v1(182.29,106.75) ; C4#2.2 v1(171.75,86.75) ; SW1#2.2 153.88,70.13 v1(153.75,70.25) ; C2.2 v1(182.25,80.5) ; C5.2 v1(180,84.5) ; R9#6.2 v1(182.3,109.75)